# KiCad board B1_panel.kicad_pcb (continued)
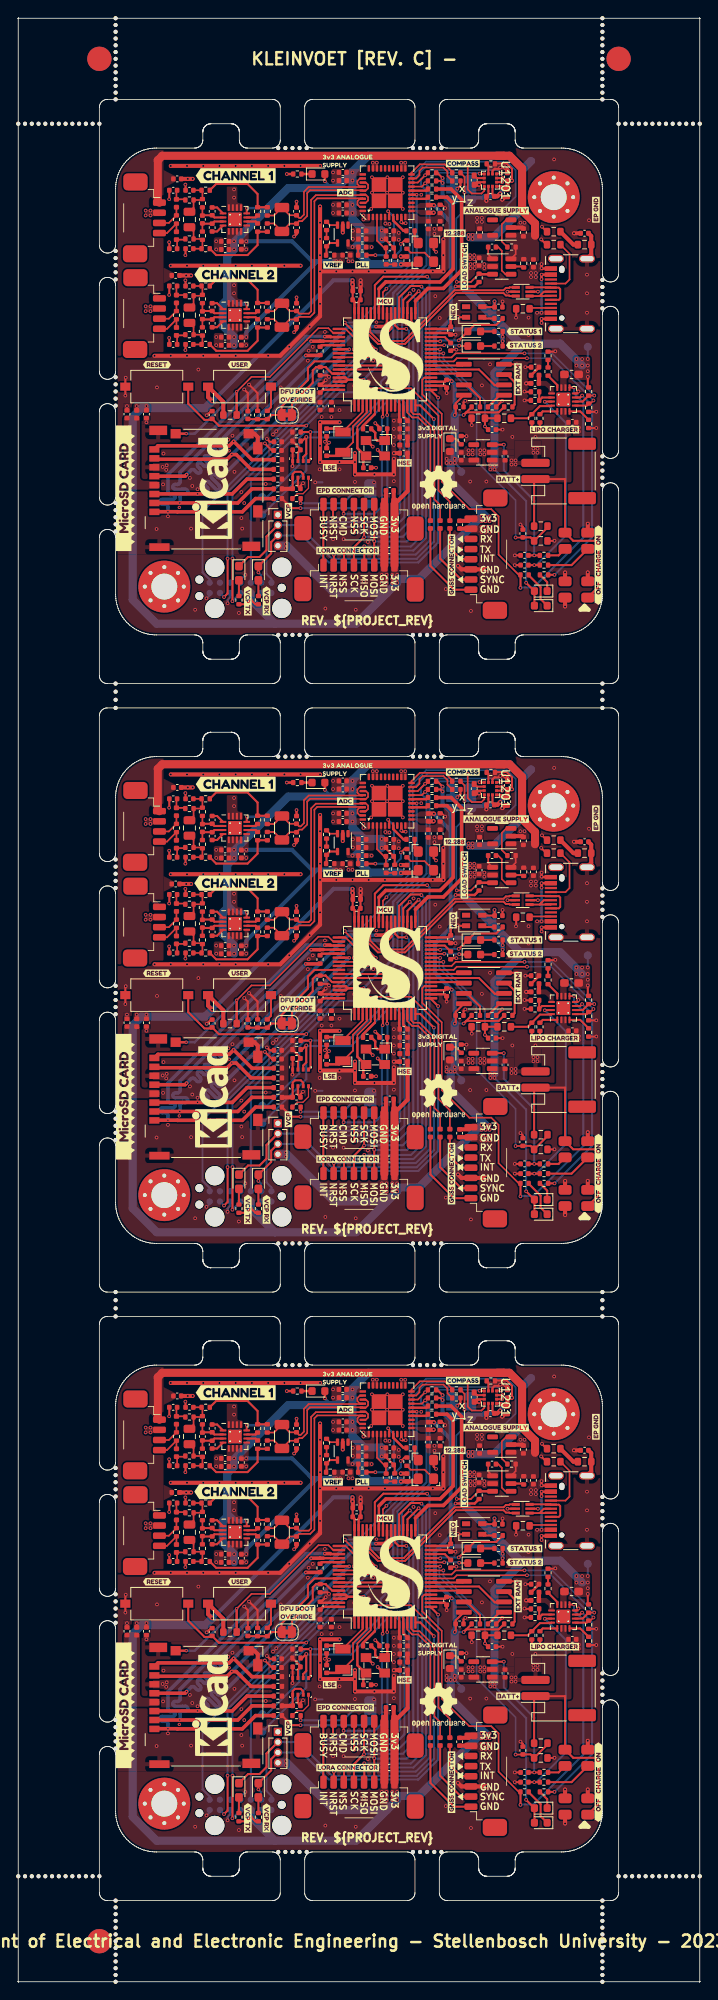
[diagram p0: board, top side]
## Routing (per net, layer and track width the routed paths; a pad name or vN(x,y) marks a point on that pad's centre or on a via; arc(x,y) is an arc through that point) (continued)
Board1_2-/CHARGE_EN2: length 24.8
  Top w0.2: U101.24 53.67,49.71 54.06,50.1 v1(62.7,50.1) ; v1(70.9,44.89) 70.52,44.51 R917#2.1
  Top w0.25: U901#2.5 70.05,44.26 R917#2.1
  Bottom w0.2: v1(70.9,44.89) 65.69,50.1 v1(62.7,50.1)
Board1_2-/CompassMagnetometer/CHARGE_PUMP: length 1.4
  Top w0.25: C1201#2.2 56.52,72.3 U1201#2.5
Board1_2-/CompassMagnetometer/~{CS}: length 1.3
  Top w0.25: R1201#3.2 57.95,73.84 U1201#2.3
Board1_2-/CONN_MISO: length 43.6
  Top w0.25: v1(42.65,26.92) 42.65,24.62 J205#3.4 ; v1(49.35,58.36) 47.97,56.99 47.97,55.66 U101.35
  Bottom w0.25: v1(42.65,26.92) 42.67,26.9 48.4,26.9 49.8,28.3 49.8,57.91 v1(49.35,58.36)
Board1_2-/CONN_MOSI: length 45.9
  Top w0.25: v1(48.26,58.09) 47.45,57.28 U101.36 ; J207#3.3 v1(43.88,27.55) J205#3.3
  Bottom w0.25: v1(43.88,27.55) 43.93,27.5 47.9,27.5 49.25,28.85 49.25,57.1 v1(48.26,58.09)
Board1_2-/CONN_SCK: length 41
  Top w0.25: J207#3.4 v1(42.62,28.05) 41.38,26.8 J205#3.5 ; v1(48.45,54.5) U101.34
  Bottom w0.25: v1(48.45,54.5) 48.7,54.25 48.7,29.4 47.4,28.1 42.68,28.1 v1(42.62,28.05)
Board1_2-/Connectors/SDIO_CLK_TERM: length 32.5
  Top w0.44: R207#2.1 37.16,50.45 v2(35.45,50.45) ; v2(20.75,35.75) 20.56,35.56 J204.5
  Bottom w0.44: v2(35.45,50.45) 24.69,39.69 arc(24.61,39.48) 24.69,39.27 24.98,38.99 arc(25.06,38.77) 24.98,38.56 arc(24.76,38.47) 24.55,38.56 24.27,38.85 arc(24.06,38.93) 23.85,38.85 arc(23.76,38.63) 23.85,38.42 24.13,38.14 arc(24.22,37.93) 24.13,37.71 arc(23.92,37.63) 23.7,37.71 23.42,38 arc(23.21,38.08) 23,38 arc(22.91,37.78) 23,37.57 23.28,37.29 arc(23.37,37.08) 23.28,36.87 arc(23.07,36.78) 22.86,36.87 22.57,37.15 arc(22.36,37.24) 22.15,37.15 arc(22.06,36.94) 22.15,36.72 22.43,36.44 arc(22.52,36.23) 22.43,36.02 arc(22.22,35.93) 22.01,36.02 21.72,36.3 arc(21.51,36.39) 21.3,36.3 v2(20.75,35.75)
Board1_2-/Connectors/USB_CC1: length 2.7
  Top w0.2: J206#2.A5 63.12,56.3 R209.2
Board1_2-/Connectors/USB_CC2: length 7.3
  Top w0.2: R208.2 67.95,62.97 67.95,59.8 67.45,59.3 J206#2.B5
Board1_2-/Connectors/USB_CONN_D+: length 4.3
  Top w0.23: 64.25,57.76 64.79,58.3 J206#2.B6 ; 64.25,57.76 65.61,57.76 J206#2.A6 ; 64.25,57.76 U201.4
Board1_2-/Connectors/USB_CONN_D-: length 6.2
  Top w0.23: U201.6 65.61,58.84 J206#2.A7 66.63,58.8 66.8,58.63 66.8,57.47 66.63,57.3 J206#2.B7
Board1_2-/EnviromentalSensor/I2C_ADDR: length 3.8
  Top w0.15: U1401#3.5 35.78,34.07 35.09,33.4 34.38,33.4 R1403#3.1
Board1_2-/EnviromentalSensor/I2C_ADDR_SEL: length 9.7
  Top w0.25: R1403#3.2 34.81,32.24 v1(34.8,32.22)
  Bottom w0.25: v1(34.8,32.22) 40.03,32.22 41.21,33.4 JP1401#3.2
Board1_2-/EPD_BUSY: length 28.4
  Top w0.25: v1(37.6,29.9) 37.6,32.07 J207#3.8 ; v1(45.95,45.55) U101.10
  Bottom w0.25: v1(45.95,45.55) 47.07,44.43 47.07,31.07 45.9,29.9 v1(37.6,29.9)
Board1_2-/EPD_~{CMD}: length 18.8
  Top w0.25: v1(44.91,42.89) 44.95,42.93 U101.8 ; v1(40.1,30.92) 40.1,32.07 J207#3.6
  Bottom w0.25: v1(40.1,30.92) 43.92,30.92 44.82,31.82 44.82,42.8 v1(44.91,42.89)
Board1_2-/EPD_~{RST}: length 21.7
  Top w0.25: v1(45.47,43.1) 45.45,43.12 U101.9 ; J207#3.7 38.8,32.03 v1(38.8,30.42)
  Bottom w0.25: v1(45.47,43.1) 45.5,43.07 45.5,31.4 44.5,30.4 38.82,30.4 v1(38.8,30.42)
Board1_2-/EPD_~{SS}: length 37.8
  Top w0.25: U101.38 46.45,54.15 46.88,53.72 v1(47.83,53.72) ; v1(41.4,28.6) 41.4,32.07 J207#3.5
  Bottom w0.25: v1(47.83,53.72) 47.88,53.72 48.15,53.45 48.15,29.95 46.8,28.6 v1(41.4,28.6)
Board1_2-/GNSS_Module/GPS_RX: length 8.6
  Top w0.25: 52,29.12 52,25.4 54.57,22.82 J301#2.7
Board1_2-/GNSS_Module/GPS_TX: length 10.8
  Top w0.25: J301#2.8 53.72,21.57 50.8,24.5 50.8,29.12
Board1_2-/GPS_RX: length 16.1
  Top w0.2: FB102#3.2 52,32 51.3,32.7 51.3,41.37 49.47,43.2 48.73,43.2 48.45,43.48 U101.15
Board1_2-/GPS_SYNC: length 26.4
  Top w0.2: U101.2 41.95,45.65 42.7,46.4 48.4,46.4 51.8,43 51.8,33.8 53.2,32.4 FB304#2.1
Board1_2-/GPS_TX: length 15.8
  Top w0.2: FB101.2 50.8,41.3 49.3,42.8 48.56,42.8 47.95,43.41 U101.14
Board1_2-/I2C1_SCL: length 75.1
  Top w0.2: v1(50.15,72.65) 49.25,71.75 U401.18 ; U1201#2.1 59,72.86 v1(59.52,72.86)
  Top w0.25: U101.58 45.23,49.21 v1(45.25,49.23) ; U1401#3.4 36.03,37.68 36.03,40.97 v1(36,41) R1402#3.1
  Bottom w0.2: v1(59.52,72.86) 59.08,73.3 50.8,73.3 v1(50.15,72.65)
  Bottom w0.25: TP407.1 30.65,32.97 34.65,36.98 34.65,40.29 35.36,41 v1(36,41) 40.7,41 44.7,45 44.7,47.2 45.25,47.75 v1(45.25,49.23) 45.28,49.23 46.75,50.7 46.75,57.99 50.32,61.56 50.32,70.74 49.63,71.44 49.63,72.13 v1(50.15,72.65)
Board1_2-/I2C1_SDA: length 73.7
  Top w0.2: R412#3.1 50.45,71.95 v1(50.15,71.66) 49.75,71.25 U401.17
  Top w0.25: R1401#2.1 35,39.9 v1(35.5,40.4) 35.5,38.3 35.12,37.93 U1401#3.3 ; U1201#2.4 56.9,72.81 v1(56.86,72.85) ; U101.59 46.01,48.71 v1(46.05,48.75)
  Bottom w0.2: v1(50.15,71.66) 51.44,72.95 56.76,72.95 v1(56.86,72.85)
  Bottom w0.25: v1(50.15,71.66) 50.7,71.11 50.7,61.3 47.3,57.9 47.3,50 v1(46.05,48.75) 46.05,47.4 45.43,46.78 45.43,44.72 41.03,40.32 35.57,40.32 v1(35.5,40.4) 35.5,36.25 TP406#3.1
Board1_2-/I_CHARGE: length 15.8
  Top w0.2: U101.26 50.9,50.68 52.38,50.68 v1(52.4,50.7)
  Top w0.25: R915.2 R916#3.1 v1(57.53,41.69) CB907.1
  Bottom w0.2: v1(52.4,50.7) 52.4,49.99 57.53,44.87 v1(57.53,41.69)
Board1_2-/LED_STATUS_B: length 10
  Top w0.2: U101.29 51.98,52.21 v1(52,52.18)
  Top w0.25: v1(54.3,52.3) 55.4,53.4 D103#2.1 56.21,54.2 58.91,54.2 R104#2.2
  Bottom w0.25: v1(52,52.18) 52.12,52.3 v1(54.3,52.3)
Board1_2-/LED_STATUS_O: length 4.6
  Top w0.2: v1(52.5,51.7) 52.48,51.68 50.9,51.68 U101.28
  Top w0.25: v1(54.35,51.65) 54.4,51.6 D104.1
  Bottom w0.25: v1(54.35,51.65) 54.3,51.7 v1(52.5,51.7)
Board1_2-/LORA_INT: length 31.9
  Top w0.25: J205#3.8 37.6,24.62 v1(37.6,29.3) ; U101.11 46.45,45.12 46.76,45.43 v1(46.76,45.48)
  Bottom w0.25: v1(37.6,29.3) 46.4,29.3 47.6,30.5 47.6,44.64 v1(46.76,45.48)
Board1_2-/LORA_~{RST}: length 56.8
  Top w0.25: v1(38.9,25.9) 38.9,24.62 J205#3.7 ; U101.43 43.95,59.1 45,60.15 v1(50.4,60.15)
  Bottom w0.25: v1(38.9,25.9) 49,25.9 50.7,27.6 50.7,59.85 v1(50.4,60.15)
Board1_2-/LORA_~{SS}: length 49.1
  Top w0.25: v1(40.15,26.42) 40.15,24.62 J205#3.6 ; U101.37 46.95,57.6 48.35,59 49.63,59 v1(49.7,58.93)
  Bottom w0.25: v1(49.7,58.93) 50.25,58.38 50.25,27.95 48.7,26.4 40.17,26.4 v1(40.15,26.42)
Board1_2-/MAG_INT: length 44.9
  Top w0.2: U101.56 43.11,50.21 43.58,50.68 43.58,51.13 43.29,51.42 43.28,51.42 40.25,54.45 v1(40.25,54.5) ; U1201#2.7 57.45,70.75 57.1,70.4 55.9,70.4 55.4,70.9 v1(55.4,73.87)
  Bottom w0.2: v1(40.25,54.5) 41.93,54.5 48.62,61.2 48.62,72.07 50.45,73.9 55.37,73.9 v1(55.4,73.87)
Board1_2-/OSC_HSE_IN: length 9
  Top w0.2: 41.8,41.3 41.8,41.7 43.45,43.35 U101.5
  Top w0.3: C102.1 42.53,37.72 Y101.1
  Top w0.306: Y101.1 42.76,38.05 41.8,39.01 41.8,41.3
Board1_2-/OSC_HSE_OUT: length 3.5
  Top w0.2: U101.6 43.95,43.2
  Top w0.306: 43.95,43.2 43.94,43.2 42.49,41.75 R106#2.2
Board1_2-/OSC_LSE_IN: length 6.5
  Top w0.2: U101.3 42.45,43.48 40.01,41.04 Y102#2.2
  Top w0.306: C106.1 39.58,41.43 Y102#2.2
Board1_2-/OSC_LSE_OUT: length 9.2
  Top w0.2: Y102#2.1 41.26,39.75 41.26,41.72 42.95,43.41 U101.4
  Top w0.306: Y102#2.1 39.58,38.07 C105.1
Board1_2-/Power/C_{T}: length 4.7
  Top w0.2: C912#3.1 59.15,63.8 59.6,63.35 59.6,60.9 60.05,60.45 U904#2.4
Board1_2-/Power/DPWR_SW: length 2.4
  Top w0.25: R911#3.2 66.6,25.8 SW901.7
Board1_2-/Power/ILIM: length 1.9
  Top w0.25: U901#2.12 66.44,46.8 R902.1
Board1_2-/Power/ISET: length 5.7
  Top w0.25: U901#2.16 65.67,44.2 64.3,44.2 R901.1 62.8,42.7 R915.1
Board1_2-/Power/PWR_SW: length 5.7
  Top w0.25: SW901.3 68.2,24.6 R910#2.1
Board1_2-/Power/SYSOFF: length 25.2
  Top w0.25: v1(64.9,44.73) 64.92,44.76 U901#2.15 ; R910#2.2 v1(63.6,24.6) CB903#3.1
  Bottom w0.25: v1(63.6,24.6) 63.84,24.6 67.5,28.26 67.5,42.13 v1(64.9,44.73)
Board1_2-/Power/TEMP_SENS: length 2.3
  Top w0.25: R909.1 64.65,43.55 U901#2.1
Board1_2-/Power/TMR: length 2.7
  Top w0.25: U901#2.14 64.57,45.26 R906.1 R904#2.1
Board1_2-/Power/~{CE}: length 2.8
  Top w0.25: U901#2.4 69.26,43.55 R907.1
Board1_2-/Power/~{PGOOD}: length 26.2
  Top w0.25: v1(69.5,45.5) 69.26,45.26 U901#2.7 ; v1(66.1,23.4) R905#3.1
  Bottom w0.25: v1(66.1,23.4) 70.72,28.03 70.72,44.28 v1(69.5,45.5)
Board1_2-/SDIO_CD: length 28.6
  Top w0.2: v2(26.93,45.97) 28.75,47.8 31,47.8 35.56,52.36 35.56,52.37 36.99,53.8 38.23,53.8 38.82,53.21 U101.50
  Top w0.306: v2(20.7,40.8) J204.10 ; v2(26.93,45.97) R206.2
  Bottom w0.306: v2(20.7,40.8) 21.75,40.8 v2(26.93,45.97)
Board1_2-/SDIO_CLK: length 2.4
  Top w0.3: R207#2.2 37.4,51.71 U101.53
Board1_2-/SDIO_CMD: length 47.5
  Top w0.3: 40.79,51.21 U101.54
  Top w0.44: J204.3 16.8,33.38 v2(22.1,33.38) 26.38,33.38 28.2,35.2 R203.1
  Bottom w0.44: v2(22.1,33.38) 22.98,33.38 23.32,33.72 arc(23.41,33.94) 23.32,34.15 23.04,34.43 arc(22.95,34.64) 23.04,34.86 arc(23.25,34.94) 23.47,34.86 24.35,33.97 arc(24.56,33.88) 24.77,33.97 arc(24.86,34.18) 24.77,34.4 23.89,35.28 arc(23.8,35.49) 23.89,35.7 arc(24.1,35.79) 24.31,35.7 24.6,35.42 arc(24.81,35.33) 25.02,35.42 40.78,51.18 40.78,51.2
  vias: v2(40.8,51.2)
Board1_2-/SDIO_D0: length 43.6
  Top w0.3: 45.95,53.85 U101.39
  Top w0.44: R204#3.1 28.7,36.4 26.88,38.22 v2(26.32,38.22) 25.75,37.65 16.88,37.65 J204.7 ; v2(45.45,53.35) 45.95,53.85
  Bottom w0.44: v2(45.45,53.35) 41.45,53.35 v2(26.32,38.22)
Board1_2-/SDIO_D1: length 42.3
  Top w0.3: U101.40 45.45,54.3
  Top w0.44: J204.8 17.22,39.3 26,39.3 v2(26.55,39.85) 28.8,37.6 R205.1 ; 45.45,54.3 45.15,54 v2(44.1,54)
  Bottom w0.44: v2(26.55,39.85) 40.7,54 v2(44.1,54)
Board1_2-/SDIO_D2: length 51.2
  Top w0.3: 38.47,52.77 38.53,52.71 U101.51
  Top w0.44: J204.1 16.8,31.18 v2(18.45,31.18) 19.61,31.18 19.62,31.17 27.62,31.17 29.25,32.8 R201#3.1 ; v2(37.79,52.77) 38.47,52.77
  Bottom w0.44: v2(18.45,31.18) 18.45,31.8 arc(18.36,32.01) 18.15,32.1 17.75,32.1 arc(17.54,32.19) 17.45,32.4 arc(17.54,32.61) 17.75,32.7 19.05,32.7 arc(19.26,32.79) 19.35,33 arc(19.26,33.21) 19.05,33.3 18.75,33.3 arc(18.54,33.39) 18.45,33.6 18.45,35.75 35.47,52.77 v2(37.79,52.77)
Board1_2-/SDIO_D3: length 48.4
  Top w0.3: 37.6,52.21 U101.52
  Top w0.44: v2(36.1,52.2) 37.19,52.2 37.19,52.21 37.6,52.21 ; J204.2 v2(19.91,32.26) 27.06,32.26 28.8,34 R202#3.1
  Bottom w0.44: v2(36.1,52.2) 19.95,36.05 19.95,34.85 arc(19.86,34.64) 19.65,34.55 19.35,34.55 arc(19.14,34.46) 19.05,34.25 arc(19.14,34.04) 19.35,33.95 20.6,33.95 arc(20.81,33.86) 20.9,33.65 arc(20.81,33.44) 20.6,33.35 20.25,33.35 arc(20.04,33.26) 19.95,33.05 19.95,32.3 v2(19.91,32.26)
Board1_2-/SRAM_MISO: length 9.8
  Top w0.25: 59.88,46.76 58.74,46.76 56.79,48.71 53.9,48.71 53.9,48.71 U101.22
Board1_2-/SRAM_MOSI: length 4.1
  Top w0.25: U1301.5 54.78,49.21 U101.23
Board1_2-/SRAM_SCK: length 4.1
  Top w0.25: U101.21 54.8,48.21 U1301.6
Board1_2-/SWCLK: length 43
  Top w0.2: v1(43.08,50.92) 43.08,50.97 40.34,53.71 U101.49
  Top w0.25: v1(25.8,25.4) 25.8,21.1 v1(25.36,20.66)
  Bottom w0.25: v1(25.36,20.66) 24.86,21.16 ; v1(25.8,25.4) 25.8,33.6 43.08,50.88 v1(43.08,50.92)
Board1_2-/SWDIO: length 44.9
  Top w0.2: v1(44.08,51.18) 44.08,51.2 43.45,51.82 43.44,51.82 42.45,52.82 U101.46
  Top w0.25: v1(26.4,20.15) v1(26.4,25.4)
  Bottom w0.25: 27.4,21.16 26.4,20.16 v1(26.4,20.15) ; v1(26.4,25.4) 26.4,33.5 v1(44.08,51.18)
Board1_2-/SWO: length 39.4
  Top w0.2: v1(42.18,50.72) 42.16,50.7 39.53,50.7 U101.55
  Bottom w0.25: J202.8 23.59,22.84 22.71,23.71 22.71,31.21 42.18,50.68 v1(42.18,50.72)
Board1_2-/USB_DN: length 23.5
  Top w0.23: 61.32,58.84 60.57,58.84 60.5,58.77 60.11,58.77 59.82,58.48 53.78,58.48 47.53,52.23 44.47,52.23 43.38,53.32 43.38,54.4 43.45,54.47 U101.44
Board1_2-/USB_DP: length 24.1
  Top w0.23: 61.32,57.76 60.57,57.76 60.5,57.83 60.11,57.83 59.82,58.12 53.92,58.12 47.67,51.87 44.33,51.87 43.02,53.18 43.02,54.4 42.95,54.47 U101.45
Board1_2-/USR_BTN: length 15.7
  Top w0.25: CB107.2 28.33,42.59 R1#2.2 R108.1 31.21,43.1 JP101#3.2 32.45,44.15 35.7,47.4 35.7,48.9 36.51,49.71 U101.57
Board1_2-/V_MONITOR: length 33.2
  Top w0.2: CB906#2.1 62.18,28 v1(61.3,28) ; U101.27 51.98,51.21 v1(52,51.18)
  Top w0.25: CB906#2.1 63.15,28.02 R914.1 65.23,29.24 R913#2.2
  Bottom w0.2: v1(52,51.18) 51.9,51.08 51.9,49.93 56.5,45.33 56.5,37.39 61.3,32.59 v1(61.3,28)
Board1_2-/VCAP: length 2.7
  Top w0.25: C101.1 52.57,52.71 U101.30
Board1_2-/VCP_RX: length 48.3
  Top w0.25: J203.3 31.18,27.44 31.18,26.05 D101#3.1 v1(29.6,23.7) ; U101.17 50.88,46.12 v1(51.75,45.25)
  Bottom w0.25: v1(51.75,45.25) 51.75,27.38 49.3,24.93 38.28,24.93 34.94,28.26 J203.3 ; v1(29.6,23.7) 29.94,23.36 J202.13
Board1_2-/VCP_TX: length 55.7
  Top w0.25: v1(51.22,42.6) 49.54,44.28 U101.16 ; J203.2 30.6,28.13 30.6,26.46 29.74,25.6 28.32,25.6 D102#2.1
  Bottom w0.25: J202.14 31.21,22.9 30.6,23.51 30.6,28.13 J203.2 34.53,29.53 38.68,25.38 49.11,25.38 51.22,27.49 v1(51.22,42.6)
Board1_2-/~{RST}: length 52
  Top w0.25: v1(35.5,41.8) 35.48,41.78 24.74,41.78 CB102#2.1 23.78,42.5 22.95,42.5 20.95,44.5 SW101.1 ; v1(43.85,45.9) 44.45,45.3 U101.7
  Bottom w0.25: v1(43.85,45.9) 39.6,45.9 v1(35.5,41.8) 28.67,34.97 J202.12
Board1_2-Earth: length 3.5
  Top w0.5: C203.1 70.62,65.16 R211#3.2 70.62,62.9 J206#2.S1
  vias: v1(70.1,60.4) v1(70.1,58.1) v1(70.1,55.7)
Board1_2-GND: length 293.5
  Top w0.2: v1(52.63,68.6) 52.22,69.01 R403#2.2
  Top w0.25: v1(13.25,47.7) 13.2,47.65 SW101.2 v1(13.2,45.5) ; R903.2 66.16,50.91 v1(66.2,50.95) ; C701.2 20.62,62.82 v1(20.6,62.8) ; R1#2.1 29.5,45.8 v1(28.44,46.86) ; v1(38.3,47.8) 38.11,47.99 R101#3.2 ; X401.2 51.2,63.5 v1(51.5,63.2) ; R919.1 55.24,40.51 v1(55.25,40.5) ; CB105#2.2 42.18,58.38 C107.2 ; C1201#2.1 56.52,71.8 U1201#2.6 ; v1(59.64,71.8) U1201#2.11 ; v1(54.2,55.2) 54.25,55.15 D105#3.2 ; v1(59.68,72.31) 59.67,72.3 U1201#2.12 ; v1(59.7,57.1) 59.68,57.08 CB108#3.2 ; R909.2 v1(64.3,41.45) ; R917#2.2 71.24,43.49 v1(71.25,43.5) ; v1(18.6,69.7) 18.62,69.72 C501#3.2 ; v1(54,51.15) 53.43,51.15 C101.2 ; v1(59.65,44.85) 58.91,44.11 R1303#3.2 ; R208.1 65.1,64.1 v1(64.45,64.75) ; R210#3.1 65.15,65.7 v1(64.55,66.3) ; U901#2.8 68.81,45.76 v1(69.05,46) ; C801#2.2 20.62,51.12 v1(20.6,51.1) ; CB1301.2 54.88,44.63 v1(55.1,44.85) ; U1201#2.2 58.45,73.18 58.72,73.45 59.25,73.45 v1(59.41,73.61) 59.98,73.61 v1(59.99,73.6) ; CB907.2 v1(59.7,41.3) ; v1(18.6,52.6) 18.62,52.58 C602.1 ; v1(18.6,57.9) 18.62,57.92 C601#3.2 ; C702#3.2 20.62,71.48 v1(20.6,71.5) ; R914.2 66.09,27.59 v1(66.1,27.6) ; v1(61.45,49.35) 61.44,49.35 U1301.4 ; U201.2 v1(60.3,58.3) ; R901.2 v1(63.3,41.5) ; C907#2.2 56.72,61.52 ; v1(33.8,36.8) 33.82,36.82 33.82,37.43 33.82,37.43 CB1410#2.2 ; v1(71.25,41.5) 71.24,41.49 R907.2 ; U1201#2.8 57.95,70.28 CB1202.2 ; v1(30.4,39.6) 31.27,38.73 C204#2.2 ; C502#2.1 18.62,64.38 v1(18.6,64.4) ; R904#2.2 62.44,45.96 v1(62.4,46) ; C106.2 38.01,40.01 v1(37.8,39.8) ; R916#3.2 55.88,41.88 v1(55.9,41.85) ; v1(35.1,34.7) 34.78,34.38 CB1409#3.2 34.47,34.33 U1401#3.7 ; v1(23.23,43.07) 23.75,43.58 CB102#2.2 ; R906.2 v1(62.4,44.9) ; CB903#3.2 v1(61.2,24.6) ; C105.2 38.01,39.41 v1(38.3,39.7) ; CB107.1 28.3,45.8 v1(27.85,46.25) ; CB904#3.2 v1(61.2,25.8) ; CB906#2.2 62.2,29.3 v1(61.9,29.6) ; v1(61.35,55.1) 61.38,55.12 R209.1 ; C904.2 v1(62.5,49) ; C802.2 20.62,59.68 v1(20.6,59.7) ; CB201#3.2 31,39.8 v1(30.65,40.15)
  Top w0.3: C104#2.2 44.52,41.58 v1(44,42.1) ; v1(34,65.1) 34.3,65.4 C709#3.1 ; Y101.2 45.05,38.05 v1(44.3,38.8) ; v1(52.4,64.75) v1(52.4,62.8) v1(52.4,60.8) v1(51.1,60.8) v1(45.2,60.8) v1(43.2,60.8) v1(41.2,60.8) v1(39.2,60.8) v1(37.2,60.8) v1(37.2,62.8) v1(37.2,64.8) v1(37.2,66.8) v1(37.2,68.8) ; U101.18 52.56,46.71 CB104#3.2 v1(52.8,45.8) ; U101.12 46.95,42.47 CB902#3.2 ; C809.1 34.3,53.6 v1(34,53.3) ; U101.31 53.11,53.21 CB101.2 53.88,53.02 v1(53.9,53) ; C102.2 v1(44.1,36.6) ; C711.2 v1(34.3,69.4) ; v1(64.5,54.45) v1(64.5,54.95) J206#2.A1 ; U401.9 v1(47.22,66.88) 47.35,66.75 v1(47.75,66.75) ; U101.47 41.95,57.07 CB105#2.2 ; U101.63 37.33,46.71 CB103.2 37.33,46.83 v1(37.9,47.4) ; v1(64.5,61.7) v1(64.5,61.2) 64.55,61.15 J206#2.A12 ; v1(34.8,61.5) v1(32.8,61.5) v1(30.8,61.5) v1(28.8,61.5) v1(26.8,61.5) v1(24.8,61.5) v1(22.8,61.5) v1(20.8,61.5) v1(18.8,61.5) ; v1(43.7,39.2) 42.95,39.95 Y101.4 ; R918.1 v1(33.1,72.8) ; v1(18.8,73.8) v1(20.8,73.8) v1(22.8,73.8) v1(24.8,73.8) v1(26.8,73.8) v1(28.8,73.8) v1(30.8,73.8) v1(32.8,73.8) v1(34.8,73.8) v1(37.2,73.8) ; C811.2 v1(34.3,57.6)
  Top w0.5: v1(37.2,60.8) v1(52.4,60.8) v1(52.4,64.75) ; v1(37.2,60.8) v1(37.2,58.9) v1(37.2,56.8) 37.2,55.28 v1(35.92,54) 33.43,51.51 v1(33.4,51.51) 32.29,50.4 v1(30.8,50.4) v1(26.8,50.4) v1(24.8,50.4) v1(22.8,50.4) v1(20.8,50.4) v1(18.8,50.4) v1(16.8,50.4) ; v1(37.2,60.8) v1(37.2,68.8) ; C306.2 55.78,29.1 J301#2.2 ; SW901.4 v1(70.2,29.7) ; v1(46.3,37.7) v1(46.3,35.8) 46.28,35.78 v1(43.9,35.78) 41.53,35.78 v1(41.5,35.8) v1(41.5,37.3) v1(39.6,37.3) v1(37.2,37.3) v1(37.2,39.3) v1(37.2,42.2) v1(39.6,42.2) ; C908#2.2 v1(62.6,47) ; C417#3.2 v1(20.9,72.2) v1(21.5,72.2) ; U903#3.2 62.14,66.2 C905#2.2 ; J204.11 29.53,40.38 29.1,40.8 J204.9 ; v1(42.2,59.7) v1(42.2,59.2) C107.2 ; C205.2 45.32,32.29 J207#3.2 ; SW901.2 v1(70.2,23.7) ; C1201#2.1 56.78,71.48 v1(56.8,71.5) ; v1(59.99,73.6) 60.3,73.29 C1202.2 ; C416#3.2 v1(20.7,60.3) v1(21.3,60.3) ; C901#3.2 v1(46.3,38.4) ; v1(18.8,61.5) v1(34.8,61.5) ; v1(47.15,62.65) 47.17,62.63 CB401#3.2 ; CB1201#3.2 59.97,69.97 v1(59.65,69.65) ; v1(18.8,73.8) v1(37.2,73.8) ; SW901.5 v1(67.4,19.5) ; v1(57.7,24.1) 57.68,24.07 J301#2.6 54.62,24.07 v1(54.2,24.5) ; CB1202.2 57.7,70.03 v1(57.7,69.5) ; SW901.6 v1(67.4,23.7) ; v1(51.2,68.05) 51.17,68.02 C408#3.2 ; C203.2 v1(68.5,65.5) ; U402#2.2 v1(40,65.6) ; 41.5,37.4 v1(41.5,38.4)
  Top w1: J207#3.2 J205#3.2
  Bottom w0.25: 37.5,34.8 v1(36.6,34.8) ; 55.54,72.6 55.35,72.6 55.2,72.45 ; J202.11 27.4,22.8 v1(28,23.4) ; v1(25.8,19.9) 25.8,20.29 26.13,20.62 26.13,21.16 ; 23.59,21.16 23.59,20.89 v1(23.2,20.5)
  vias: v1(13.4,44.2) v1(15.7,68.3) v1(15.7,67.7) v1(15.7,56.5) v1(15.7,55.9) v1(15.8,42.2) v1(16.3,68.3) v1(16.3,67.7) v1(16.3,56.5) v1(16.3,55.9) v1(17.1,46.5) v1(17.05,29.05) v1(17.8,36.7) v1(17.85,34.55) v1(17.9,38.35) v1(18.24,36.35) v1(18.3,36.9) v1(18.45,30.61) v1(21.16,35.35) v1(21.3,29.1) v1(21.45,34.35) v1(21.8,19.1) v1(22.1,33.95) v1(22.2,48.7) v1(24.4,64.51) v1(24.4,63.51) v1(24.4,52.71) v1(24.4,51.71) v1(25.9,40.05) v1(26.4,40.55) v1(26.6,70.9) v1(26.6,69.9) v1(26.6,59.1) v1(26.6,58.1) v1(26.65,36.1) v1(27.2,18.7) v1(27.5,33.6) v1(27.5,30.4) v1(27.6,29.1) v1(27.85,32.25) v1(28.1,63.51) v1(28.1,51.71) v1(30.5,34.6) v1(32.35,46.5) v1(35.7,49.8) v1(35.8,51.02) v1(36.3,51.5) v1(37.15,36.4) v1(37.4,42.85) v1(37.8,53.34) v1(37.85,19.25) v1(38.6,42.85) v1(38.8,73) v1(38.8,72) v1(38.8,69) v1(38.8,68) v1(38.8,27.8) v1(39.6,43.7) v1(39.6,36.4) v1(40.1,27.8) v1(40.15,22.6) v1(40.7,62.05) v1(41.25,65.8) v1(41.25,64.8) v1(41.2,62.05) v1(41.35,51.19) v1(41.4,46.7) v1(41.5,34.85) v1(41.6,19.1) v1(42.55,67.7) v1(42.55,67.2) v1(42.6,22.55) v1(43.1,27.45) v1(43.17,47.27) v1(43.5,68.5) v1(43.6,72.4) v1(43.6,70.5) v1(43.55,63.8) v1(43.7,74.2) v1(43.75,49.8) v1(43.85,34.8) v1(44.2,74.2) v1(44.8,23.4) v1(44.8,22.9) v1(44.8,22.4) v1(45.25,66.7) v1(45.25,51.4) v1(45.4,23.4) v1(45.4,22.9) v1(45.4,22.4) v1(45.5,72.4) v1(45.47,70.5) v1(45.5,52.75) v1(45.55,57.15) v1(45.75,66.65) v1(46.3,42.4) v1(46.3,41.4) v1(46.3,40.4) v1(46.3,39.4) v1(46.3,34.95) v1(46.8,48.75) v1(46.9,65.55) v1(46.9,64.7) v1(47.2,74.2) v1(47.4,72.4) v1(47.4,70.5) v1(47.4,68.5) v1(47.6,47.2) v1(47.7,74.2) v1(47.91,54.29) v1(48.72,58.52) v1(49.68,70.25) v1(51.3,66.05) v1(51.3,65.45) v1(51.4,57.75) v1(51.95,55.05) v1(52.7,21.65) v1(53.4,23) v1(54.6,26.6) v1(55.5,38.75) v1(55.5,38.25) v1(55.7,34.9) v1(55.75,61.7) v1(55.75,61.2) v1(55.8,18.95) v1(56,38.75) v1(56,38.25) v1(56.25,61.7) v1(56.25,61.2) v1(56.55,67.4) v1(56.55,66.9) v1(56.95,38.75) v1(56.95,38.25) v1(57.1,29.3) v1(57.1,28.7) v1(57.15,67.4) v1(57.15,66.9) v1(57.15,46.75) v1(57.45,61.7) v1(57.45,61.2) v1(57.45,38.75) v1(57.45,38.25) v1(57.6,29.3) v1(57.6,28.7) v1(57.7,34.9) v1(58.1,29.3) v1(58.1,28.7) v1(58.15,49.35) v1(60.8,37.5) v1(60.8,37) v1(60.9,40.4) v1(61.3,37.5) v1(61.3,37) v1(61.9,66.8) v1(62.4,66.8) v1(62.9,55.1) v1(62.9,52.95) v1(63.2,60.6) v1(63.2,60.1) v1(63.5,38.95) v1(63.5,38.45) v1(63.8,60.6) v1(63.8,60.1) v1(63.75,40.4) v1(64,38.95) v1(64,38.45) v1(66.05,74.6) v1(68.5,41.55) v1(68.5,41.05) v1(69.1,41.55) v1(69.1,41.05) v1(70.35,67.1) v2(19.85,31.71) v2(26,38.7) v2(44.15,54.55)
Board1_2-Net-(C104-Pad1): length 4.3
  Top w0.3: C104#2.1 45.48,40.27 Y101.3 44.25,39.95 44,40.2 44,40.91 R106#2.1
Board1_2-Net-(D101-A): length 1.9
  Top w0.25: D101#3.2 R102#2.2
Board1_2-Net-(D102-A): length 1.9
  Top w0.25: D102#2.2 R103#2.2
Board1_2-Net-(D103-A): length 1.7
  Top w0.25: D103#2.2 R105#2.1
Board1_2-Net-(D104-A): length 1.7
  Top w0.25: D104.2 R107.1
Board1_2-Net-(D105-DIN): length 1.6
  Top w0.25: D105#3.3 57.35,55 R104#2.1
Board1_2-Net-(D901-K): length 2.4
  Top w0.25: R905#3.2 65.2,22.5 D901#3.1